# Altium PCB controller_V1.0.PcbDoc (part 6 of 8) (continued)
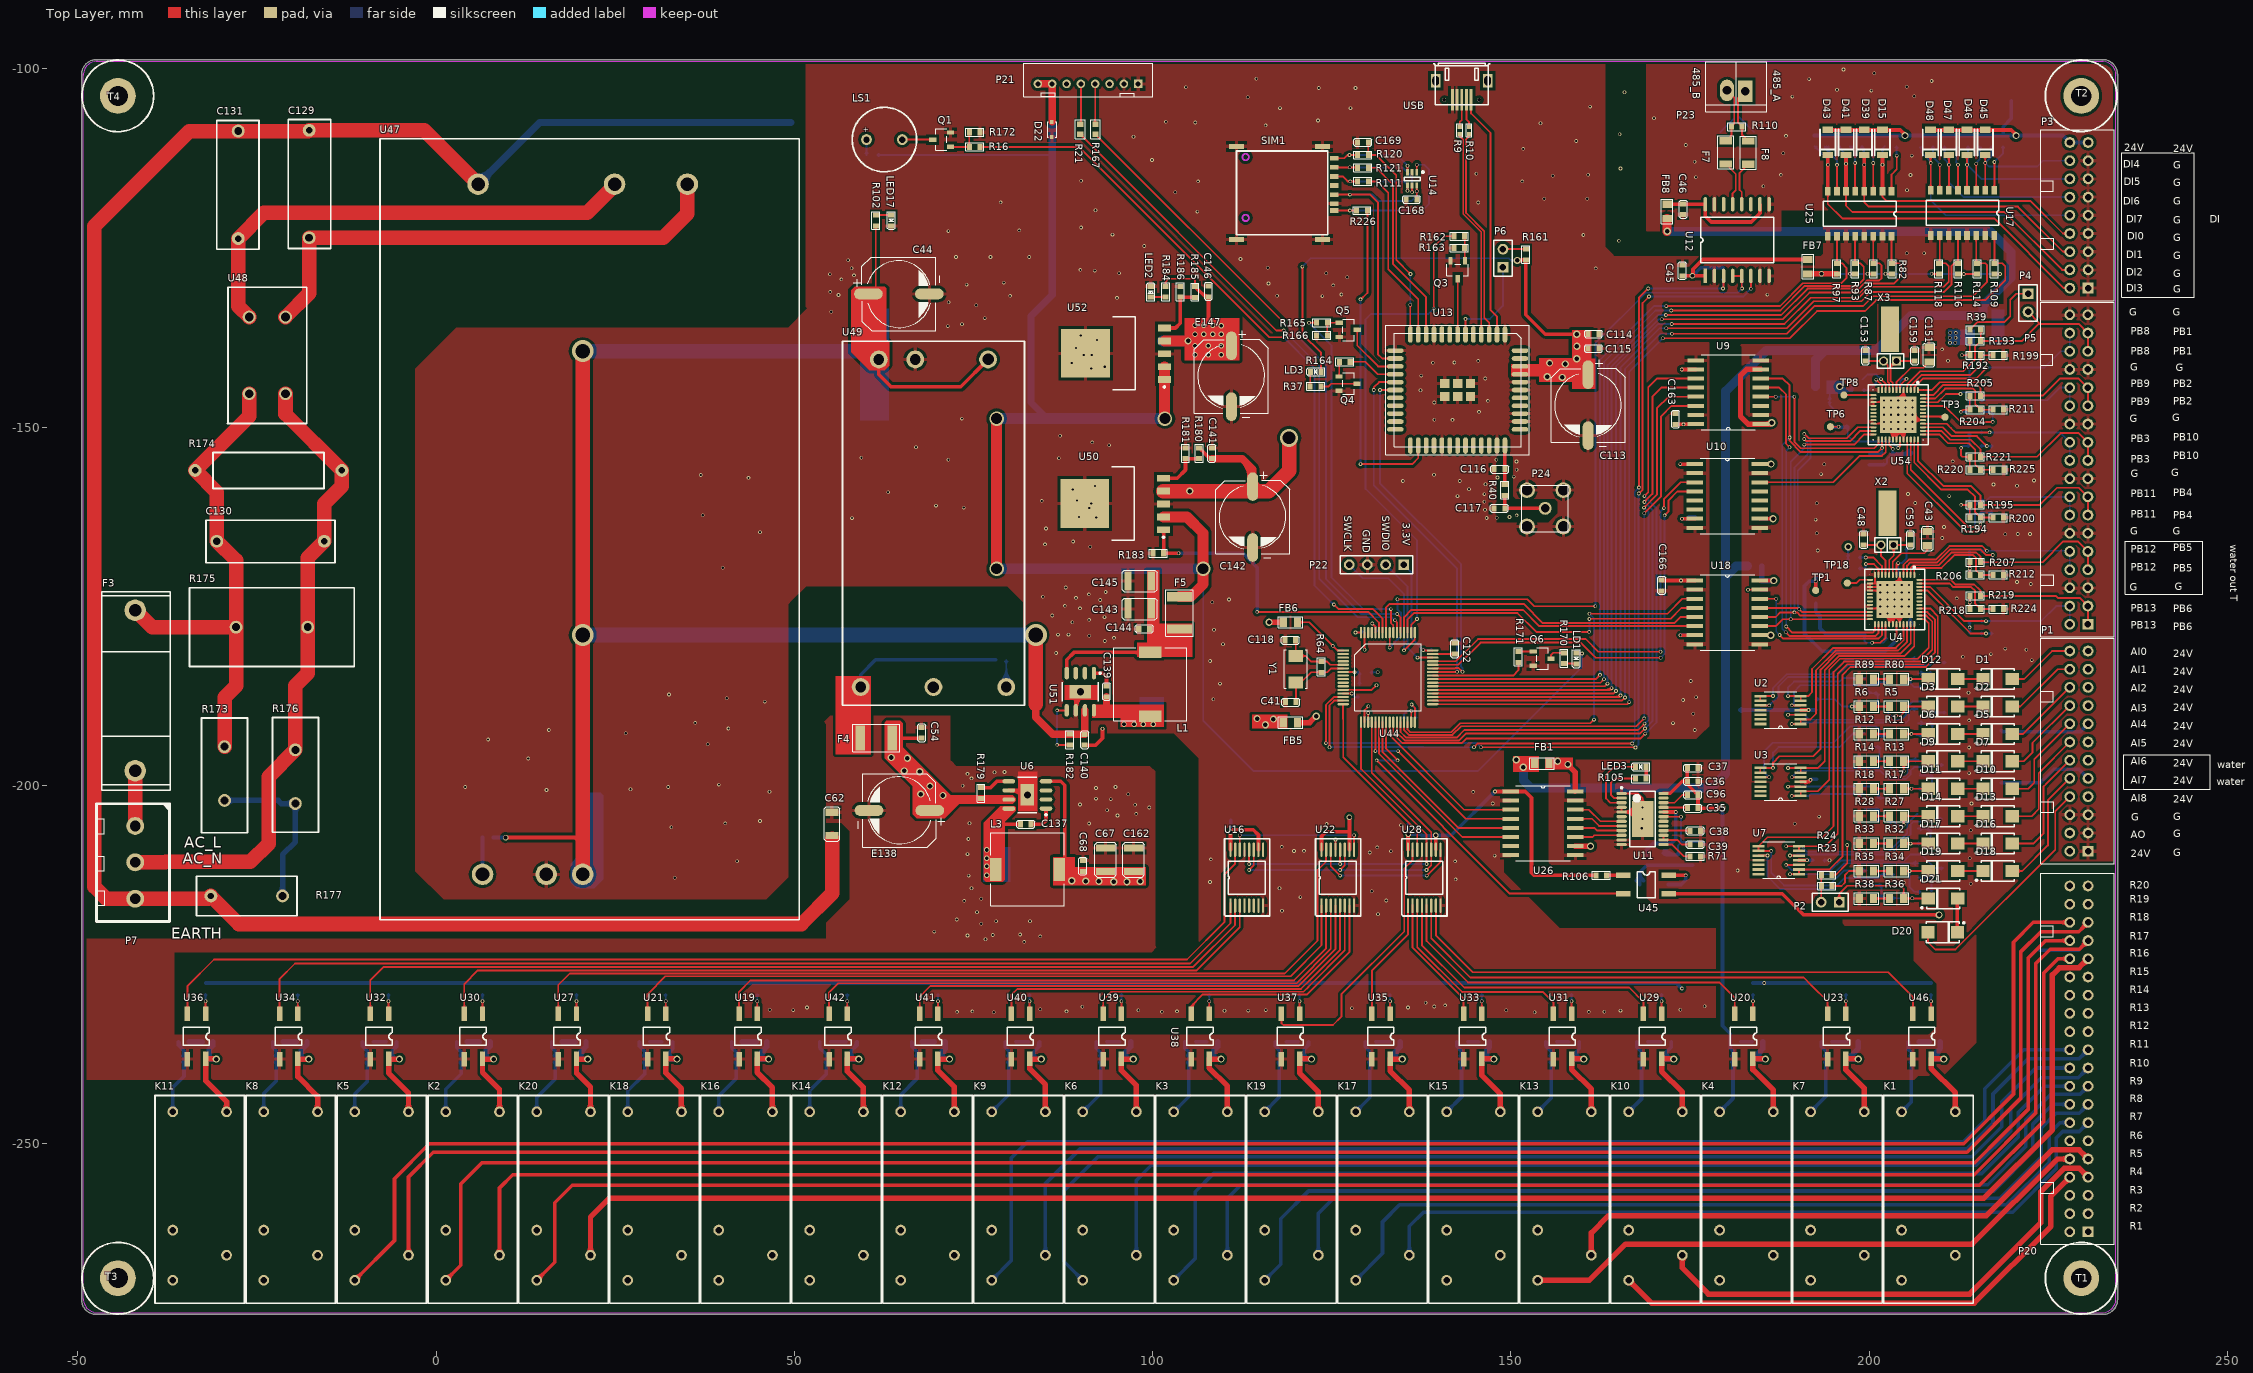
[diagram p0: Top Layer view]
## Nets (pads, with @x,y where several pads share a name; then routed paths per layer and width w, separated by ;. In a path a pad name is that pad's centre, name@x,y a point inside that pad or via, vN(x,y) a via of type N, cw(c..) or ccw(c..) an arc to the next point about the centre after c; other vN are vias at no path point) (continued)
NetD5_2: D5.2 D6.1 | length 3.5
  Top Layer w0.254: D6.1@212.359,-192.826 D5.2@215.879,-192.826
NetD7_2: D7.2 D9.1 | length 3.5
  Top Layer w0.254: D9.1@212.359,-196.652 D7.2@215.879,-196.652
NetD10_2: D10.2 D11.1 | length 3.5
  Top Layer w0.254: D11.1@212.359,-200.478 D10.2@215.879,-200.478
NetD13_2: D13.2 D14.1 | length 3.5
  Top Layer w0.254: D14.1@212.359,-204.304 D13.2@215.879,-204.304
NetD16_2: D16.2 D17.1 | length 3.5
  Top Layer w0.254: D17.1@212.359,-208.13 D16.2@215.879,-208.13
NetD18_2: D18.2 D19.1 | length 3.5
  Top Layer w0.254: D19.1@212.359,-211.956 D18.2@215.879,-211.956
NetD20_2: D20.2 D21.1 | length 4.7
  Top Layer w0.508: D20.2@212.311,-220.497 212.311,-215.83 D21.1@212.359,-215.781
NetD72_1: D72.1 F2.2
NetF3_1: F3.1 P7.1 | length 7.7
  Top Layer w2.032: P7.1@-41.986,-205.664 -41.986,-198.242 F3.1@-41.758,-198.014
NetF4_1: F4.1 R178.2 U49.4 | length 21.4
  Bottom Layer w0.508: U49.4@59.256,-186.284 59.256,-184.556 61.338,-182.474 R178.2@78.076,-182.474
NetF7_1: F7.1 U12.13 | length 6.8
  Top Layer w0.254: F7.1@179.982,-113.284 181.381,-114.684 181.381,-116.942 180.947,-117.376 U12.13@180.947,-118.905 ; U12.13@180.86,-118.068 ccw(c180.65,-117.858) 180.947,-117.858 ccw(c181.244,-117.858) U12.13@181.034,-118.068
NetF8_1: F8.1 U12.12 | length 6.7
  Top Layer w0.254: U12.12@182.13,-118.068 ccw(c181.92,-117.858) 182.217,-117.858 ccw(c182.514,-117.858) U12.12@182.304,-118.068 ; U12.12@182.217,-118.905 182.217,-117.196 181.889,-116.868 181.889,-114.577 F8.1@183.131,-113.335
NetLD1_2: LD1.2 R170.1 | length 3.4
  Top Layer w0.254: R170.1@157.404,-183.007 159.079,-183.007 LD1.2@159.131,-183.059 ; R170.1@157.636,-183.165 cw(c158.017,-183.545) 158.017,-183.007 cw(c158.017,-182.469) R170.1@157.636,-182.849 ; 158.392,-183.007 cw(c158.392,-183.724) LD1.2@158.898,-183.217 ; 158.644,-183.007 ccw(c158.644,-182.647) LD1.2@158.898,-182.902
NetLD3_2: LD3.2 R37.1 | length 3.7
  Top Layer w0.254: R37.1@121.836,-144.09 ccw(c121.455,-143.709) 121.994,-143.709 ccw(c122.532,-143.709) R37.1@122.151,-144.09 ; LD3.2@121.86,-142.523 cw(c121.537,-142.846) 121.994,-142.846 ; R37.1@121.994,-144.323 121.994,-142.315 LD3.2@122.018,-142.291 ; 121.994,-142.962 cw(c122.614,-142.962) LD3.2@122.175,-142.523
NetLED2_1: LED2.1 R184.1 | length 3.8
  Top Layer w0.254: LED2.1@99.746,-131.851 101.792,-131.851 R184.1@101.809,-131.868 ; LED2.1@99.978,-132.009 cw(c100.359,-132.39) 100.359,-131.851 cw(c100.359,-131.313) LED2.1@99.978,-131.694 ; 101.154,-131.851 cw(c101.154,-132.448) R184.1@101.576,-132.026 ; 101.236,-131.851 ccw(c101.236,-131.371) R184.1@101.576,-131.711
NetLED3_1: LED3.1 R105.2 | length 1.7
  Top Layer w0.508: R105.2@168.882,-199.06 LED3.1@168.882,-197.409
NetLED3_2: LED3.2 U11.3 | length 11.5
  Top Layer w0.254: U11.3@164.88,-202.493 ccw(c164.712,-202.66) 164.712,-202.424 ccw(c164.712,-202.187) U11.3@164.88,-202.354 ; U11.3@165.449,-202.424 163.866,-202.424 163.271,-201.828 163.271,-198.552 164.414,-197.409 LED3.2@167.382,-197.409 ; LED3.2@167.224,-197.566 ccw(c166.844,-197.947) 166.844,-197.409 ccw(c166.844,-196.87) LED3.2@167.224,-197.251
NetLED17_1: LED17.1 R102.1 | length 3.9
  Top Layer w0.254: R102.1@61.369,-120.43 LED17.1@63.528,-120.43 ; R102.1@61.602,-120.587 cw(c61.983,-120.968) 61.983,-120.43 cw(c61.983,-119.891) R102.1@61.602,-120.272 ; LED17.1@63.296,-120.587 ccw(c62.915,-120.968) 62.915,-120.43 ccw(c62.915,-119.891) LED17.1@63.296,-120.272
NetLS1_1: LS1.1 R15.2 | length 3
  Bottom Layer w0.254: R15.2@59.935,-111.807 ccw(c59.554,-111.426) 60.092,-111.426 ccw(c60.631,-111.426) R15.2@60.25,-111.807 ; LS1.1@60.068,-109.88 60.092,-109.904 R15.2@60.092,-112.039
NetLS1_2: LS1.2 Q1.3 | length 4.9
  Top Layer w0.254: LS1.2@65.068,-109.88 69.29,-109.88 Q1.3@69.306,-109.896 ; 68.65,-109.88 cw(c68.65,-110.353) Q1.3@68.983,-110.019 ; 68.727,-109.88 ccw(c68.727,-109.517) Q1.3@68.983,-109.774
NetP2_2: P2.2 R23.2 R24.1 | length 6.3
  Top Layer w0.254: R23.2@193.16,-214.278 cw(c192.78,-214.659) 193.318,-214.659 cw(c193.856,-214.659) R23.2@193.476,-214.278 ; R23.2@193.16,-213.813 ccw(c192.776,-213.429) 193.319,-213.429 ; R24.1@193.162,-212.754 cw(c192.781,-213.135) 193.319,-213.135 cw(c193.858,-213.135) R24.1@193.477,-212.754 ; P2.2@193.294,-216.306 193.318,-216.282 R23.2@193.318,-214.046 193.319,-214.044 R24.1@193.319,-212.522 ; 193.319,-213.436 ccw(c193.853,-213.436) R23.2@193.476,-213.813
NetP4_1: P4.1 R39.2 | length 11.5
  Top Layer w0.254: R39.2@214.07,-136.398 215.111,-135.357 218.872,-135.357 219.685,-134.544 219.685,-132.232 220.523,-131.394 P4.1@222.174,-131.394
NetP6_1: P6.1 U13.6 | length 15.3
  Top Layer w0.254: U13.6@143.528,-136.116 ccw(c143.19,-135.778) 143.668,-135.778 ccw(c144.146,-135.778) U13.6@143.808,-136.116 ; v1@143.578,-134.994 cw(c143.361,-135.211) 143.668,-135.211 cw(c143.974,-135.211) v1@143.757,-134.994 ; U13.6@143.668,-137.081 v1(143.668,-134.905)
  Bottom Layer w0.254: v1(143.668,-134.905) 147.086,-134.905 148.892,-133.099 P6.1@148.892,-127.711 ; v1@143.757,-134.994 cw(c143.974,-135.211) 143.974,-134.905 cw(c143.974,-134.598) v1@143.757,-134.815
NetP6_2: P6.2 R161.1 | length 4
  Top Layer w0.254: P6.2@148.892,-125.171 R161.1@152.093,-125.171 ; R161.1@151.86,-125.329 ccw(c151.479,-125.71) 151.479,-125.171 ccw(c151.479,-124.633) R161.1@151.86,-125.014
NetP21_4: P21.4 R167.2 | length 6.6
  Top Layer w0.254: R167.2@91.781,-107.554 ccw(c91.275,-107.049) 91.991,-107.049 ; R167.2@91.991,-107.7 P21.4@91.991,-102.108 ; 91.991,-107.193 ccw(c92.502,-107.193) R167.2@92.14,-107.554
NetP21_5: P21.5 R21.2 | length 6.5
  Top Layer w0.254: R21.2@89.797,-107.58 ccw(c89.331,-107.113) 89.991,-107.113 ; R21.2@89.991,-107.682 P21.5@89.991,-102.108 ; 89.991,-107.179 ccw(c90.557,-107.179) R21.2@90.157,-107.58
NetQ1_1: Q1.1 R16.1 R172.1 | length 7.8
  Top Layer w0.254: Q1.1@71.806,-110.896 R16.1@74.422,-110.896 R172.1@74.422,-108.864 ; Q1.1@72.128,-111.019 cw(c72.423,-111.314) 72.423,-110.896 cw(c72.423,-110.479) Q1.1@72.128,-110.774 ; R16.1@74.264,-111.054 ccw(c73.884,-111.435) 73.884,-110.896 ccw(c73.884,-110.358) R16.1@74.264,-110.739 ; R16.1@74.264,-110.664 ccw(c73.884,-110.283) 74.422,-110.283 ccw(c74.96,-110.283) R16.1@74.58,-110.664 ; R172.1@74.264,-109.097 cw(c73.884,-109.478) 74.422,-109.478 cw(c74.96,-109.478) R172.1@74.58,-109.097
NetQ3_1: Q3.1 R162.2 R163.2 | length 6.6
  Top Layer w0.254: R163.2@143.402,-125.251 cw(c143.021,-125.632) 143.56,-125.632 cw(c144.098,-125.632) R163.2@143.717,-125.251 ; R163.2@143.402,-124.786 ccw(c143.021,-124.405) 143.56,-124.405 ccw(c144.098,-124.405) R163.2@143.717,-124.786 ; R162.2@143.402,-123.6 cw(c143.021,-123.981) 143.56,-123.981 cw(c144.098,-123.981) R162.2@143.717,-123.6 ; Q3.1@143.461,-126.474 ccw(c143.224,-126.237) 143.56,-126.237 ; Q3.1@143.56,-126.773 R163.2@143.56,-125.019 R162.2@143.56,-123.368 ; 143.56,-126.121 ccw(c144.059,-126.121) Q3.1@143.706,-126.474
NetQ3_3: Q3.3 U13.7 | length 9.2
  Top Layer w0.254: U13.7@142.428,-136.116 ccw(c142.051,-135.739) 142.584,-135.739 ; Q3.3@142.461,-129.619 cw(c142.166,-129.914) 142.584,-129.914 cw(c143.001,-129.914) Q3.3@142.706,-129.619 ; U13.7@142.568,-137.081 142.584,-137.065 Q3.3@142.584,-129.297 ; 142.584,-135.816 ccw(c143.007,-135.816) U13.7@142.708,-136.116
NetQ4_1: Q4.1 R164.2 | length 3.5
  Top Layer w0.254: Q4.1@125.912,-142.829 ccw(c125.617,-142.534) 126.035,-142.534 ccw(c126.452,-142.534) Q4.1@126.157,-142.829 ; R164.2@125.924,-141.126 cw(c125.656,-141.394) 126.035,-141.394 ; Q4.1@126.035,-142.951 R164.2@126.035,-140.941 ; 126.035,-141.62 cw(c126.733,-141.62) R164.2@126.239,-141.126
NetQ4_3: Q4.3 R37.2 | length 6.7
  Top Layer w0.254: R37.2@123.494,-144.323 124.587,-144.323 124.959,-143.951 Q4.3@128.535,-143.951 ; R37.2@123.651,-144.48 cw(c124.032,-144.861) 124.032,-144.323 cw(c124.032,-143.784) R37.2@123.651,-144.165 ; Q4.3@128.212,-144.074 ccw(c127.917,-144.369) 127.917,-143.951 ccw(c127.917,-143.534) Q4.3@128.212,-143.829
NetQ5_1: Q5.1 R165.2 R166.2 | length 6.6
  Top Layer w0.254: R166.2@124.225,-136.978 ccw(c123.844,-136.597) 124.383,-136.597 ccw(c124.921,-136.597) R166.2@124.54,-136.978 ; R165.2@124.225,-135.665 cw(c123.844,-136.046) 124.383,-136.046 cw(c124.921,-136.046) R165.2@124.54,-135.665 ; R166.2@124.383,-137.211 R165.2@124.383,-135.433 Q5.1@126.058,-135.433 ; R165.2@124.54,-135.59 cw(c124.921,-135.971) 124.921,-135.433 cw(c124.921,-134.894) R165.2@124.54,-135.275 ; Q5.1@125.735,-135.555 ccw(c125.44,-135.85) 125.44,-135.433 ccw(c125.44,-135.015) Q5.1@125.735,-135.31
NetQ5_3: Q5.3 U13.15 | length 10.1
  Top Layer w0.254: Q5.3@128.435,-136.555 cw(c128.14,-136.85) 128.558,-136.85 cw(c128.975,-136.85) Q5.3@128.68,-136.555 ; Q5.3@128.558,-136.433 128.558,-138.616 131.472,-141.531 U13.15@133.868,-141.531 ; U13.15@132.903,-141.671 ccw(c132.565,-142.009) 132.565,-141.531 ccw(c132.565,-141.053) U13.15@132.903,-141.391
NetQ6_1: Q6.1 R171.2 | length 3.6
  Top Layer w0.254: R171.2@151.054,-181.329 Q6.1@153.11,-181.329 ; R171.2@151.286,-181.487 cw(c151.667,-181.868) 151.667,-181.329 cw(c151.667,-180.791) R171.2@151.286,-181.172 ; 152.49,-181.329 cw(c152.49,-181.752) Q6.1@152.789,-181.453 ; 152.497,-181.329 ccw(c152.497,-180.916) Q6.1@152.789,-181.208
NetQ6_3: Q6.3 R170.2 | length 3.9
  Top Layer w0.254: Q6.3@155.489,-182.208 ccw(c155.194,-181.913) 155.611,-181.913 ccw(c156.029,-181.913) Q6.3@155.734,-182.208 ; Q6.3@155.611,-182.331 155.611,-181.802 155.907,-181.507 R170.2@157.404,-181.507 ; R170.2@157.171,-181.665 ccw(c156.79,-182.045) 156.79,-181.507 ccw(c156.79,-180.969) R170.2@157.171,-181.349
NetR5_1: R5.1 R6.2 | length 5
  Top Layer w0.254: R6.2@200.625,-189 R5.1@202.816,-189 ; R6.2@200.889,-189.264 cw(c201.526,-189.901) 201.526,-189 cw(c201.526,-188.1) R6.2@200.889,-188.737 ; R5.1@202.553,-189.264 ccw(c201.916,-189.901) 201.916,-189 ccw(c201.916,-188.1) R5.1@202.553,-188.737
NetR9_1: R9.1 USB.3 | length 4.5
  Top Layer w0.254: R9.1@142.753,-107.971 ccw(c142.457,-107.675) 142.875,-107.675 ccw(c143.293,-107.675) R9.1@142.997,-107.971 ; R9.1@142.875,-108.093 142.875,-107.417 143.135,-107.157 USB.3@143.135,-104.326
NetR10_1: R10.1 USB.2 | length 4.6
  Top Layer w0.254: USB.2@143.785,-104.326 143.785,-107.056 144.145,-107.417 R10.1@144.145,-108.093 ; R10.1@144.023,-107.971 ccw(c143.727,-107.675) 144.145,-107.675 ccw(c144.563,-107.675) R10.1@144.267,-107.971
NetR11_1: R11.1 R12.2 | length 5
  Top Layer w0.254: R12.2@200.625,-192.826 R11.1@202.816,-192.826 ; R12.2@200.889,-193.09 cw(c201.526,-193.727) 201.526,-192.826 cw(c201.526,-191.926) R12.2@200.889,-192.562 ; R11.1@202.553,-193.09 ccw(c201.916,-193.727) 201.916,-192.826 ccw(c201.916,-191.926) R11.1@202.553,-192.562
NetR13_1: R13.1 R14.2 | length 5
  Top Layer w0.254: R14.2@200.625,-196.652 R13.1@202.816,-196.652 ; R14.2@200.889,-196.916 cw(c201.526,-197.553) 201.526,-196.652 cw(c201.526,-195.752) R14.2@200.889,-196.388 ; R13.1@202.553,-196.916 ccw(c201.916,-197.553) 201.916,-196.652 ccw(c201.916,-195.752) R13.1@202.553,-196.388
NetR17_1: R17.1 R18.2 | length 5
  Top Layer w0.254: R18.2@200.625,-200.478 R17.1@202.816,-200.478 ; R18.2@200.889,-200.742 cw(c201.526,-201.378) 201.526,-200.478 cw(c201.526,-199.577) R18.2@200.889,-200.214 ; R17.1@202.553,-200.742 ccw(c201.916,-201.378) 201.916,-200.478 ccw(c201.916,-199.577) R17.1@202.553,-200.214
NetR20_2: R20.2 U4.10 | length 6.7
  Top Layer w0.254: v1(199.517,-168.199) 200.59,-168.199 201.795,-169.404 U4.10@201.795,-170.616 ; v1@199.607,-168.289 cw(c199.824,-168.505) 199.824,-168.199 cw(c199.824,-167.892) v1@199.607,-168.109
  Bottom Layer w0.254: R20.2@198.593,-168.199 v1(199.517,-168.199) ; R20.2@198.726,-168.382 cw(c199.168,-168.824) 199.168,-168.199 ; R20.2@198.726,-168.067 ccw(c199.045,-167.747) 199.045,-168.199 ; v1@199.427,-168.289 ccw(c199.21,-168.505) 199.21,-168.199 ccw(c199.21,-167.892) v1@199.427,-168.109
NetR22_1: R22.1 U44.60 | length 5.1
  Top Layer w0.254: v1@130.658,-177.546 cw(c130.658,-177.853) 130.874,-177.636 cw(c131.091,-177.419) v1@130.785,-177.419 ; v1(130.658,-177.419) 131.091,-177.852 U44.60@131.091,-178.678 ; 130.927,-177.689 cw(c130.588,-178.028) U44.60@131.068,-178.028
  Bottom Layer w0.254: v1@130.658,-177.546 cw(c130.658,-177.853) 130.874,-177.636 cw(c131.091,-177.419) v1@130.785,-177.419 ; v1(130.658,-177.419) 131.191,-177.952 R22.1@131.191,-178.638 ; R22.1@131.033,-178.481 ccw(c130.653,-178.1) 131.191,-178.1 ccw(c131.729,-178.1) R22.1@131.349,-178.481
NetR27_1: R27.1 R28.2 | length 5
  Top Layer w0.254: R28.2@200.625,-204.304 R27.1@202.816,-204.304 ; R28.2@200.889,-204.568 cw(c201.526,-205.204) 201.526,-204.304 cw(c201.526,-203.403) R28.2@200.889,-204.04 ; R27.1@202.553,-204.568 ccw(c201.916,-205.204) 201.916,-204.304 ccw(c201.916,-203.403) R27.1@202.553,-204.04
NetR31_1: R31.1 U47.4 | length 5.1
  Bottom Layer w0.508: R31.1@6.474,-207.289 6.474,-212.413 U47.4@6.485,-212.423
NetR32_1: R32.1 R33.2 | length 5
  Top Layer w0.254: R33.2@200.625,-208.13 R32.1@202.816,-208.13 ; R33.2@200.889,-208.393 cw(c201.526,-209.03) 201.526,-208.13 cw(c201.526,-207.229) R33.2@200.889,-207.866 ; R32.1@202.553,-208.393 ccw(c201.916,-209.03) 201.916,-208.13 ccw(c201.916,-207.229) R32.1@202.553,-207.866
NetR34_1: R34.1 R35.2 | length 5
  Top Layer w0.254: R35.2@200.625,-211.956 R34.1@202.816,-211.956 ; R35.2@200.889,-212.219 cw(c201.526,-212.856) 201.526,-211.956 cw(c201.526,-211.055) R35.2@200.889,-211.692 ; R34.1@202.553,-212.219 ccw(c201.916,-212.856) 201.916,-211.956 ccw(c201.916,-211.055) R34.1@202.553,-211.692
NetR36_1: R36.1 R38.2 | length 5
  Top Layer w0.254: R38.2@200.625,-215.781 R36.1@202.816,-215.781 ; R38.2@200.889,-216.045 cw(c201.526,-216.682) 201.526,-215.781 cw(c201.526,-214.881) R38.2@200.889,-215.518 ; R36.1@202.553,-216.045 ccw(c201.916,-216.682) 201.916,-215.781 ccw(c201.916,-214.881) R36.1@202.553,-215.518
NetR71_1: R71.1 U11.13 | length 5.6
  Top Layer w0.254: U11.13@171.299,-208.274 172.51,-208.274 174.142,-209.906 R71.1@174.978,-209.906 ; U11.13@171.868,-208.343 cw(c172.036,-208.51) 172.036,-208.274 cw(c172.036,-208.037) U11.13@171.868,-208.204 ; R71.1@174.82,-210.063 ccw(c174.44,-210.444) 174.44,-209.906 ccw(c174.44,-209.367) R71.1@174.82,-209.748
NetR73_2: R73.2 U4.11 | length 6.1
  Top Layer w0.254: v1(199.542,-169.113) 200.66,-169.113 201.295,-169.748 U4.11@201.295,-170.616 ; v1@199.632,-169.203 cw(c199.849,-169.42) 199.849,-169.113 cw(c199.849,-168.807) v1@199.632,-169.023
  Bottom Layer w0.254: R73.2@198.568,-169.748 199.263,-169.748 199.542,-169.469 v1(199.542,-169.113) ; R73.2@198.726,-169.906 cw(c199.106,-170.287) 199.106,-169.748 cw(c199.106,-169.21) R73.2@198.726,-169.591 ; v1@199.453,-169.203 cw(c199.236,-169.42) 199.542,-169.42 cw(c199.849,-169.42) v1@199.632,-169.203
NetR75_2: R75.2 U54.11 | length 6.5
  Top Layer w0.254: v1@200.99,-143.51 cw(c200.99,-143.817) 201.207,-143.6 cw(c201.424,-143.383) v1@201.117,-143.383 ; v1(200.99,-143.383) 201.803,-144.196 U54.11@201.803,-144.835
  Bottom Layer w0.254: R75.2@199.076,-144.856 199.974,-144.856 200.99,-143.84 v1(200.99,-143.383) v1@200.914,-143.383 ; R75.2@199.234,-145.014 cw(c199.614,-145.395) 199.614,-144.856 cw(c199.614,-144.318) R75.2@199.234,-144.699 ; v1@200.9,-143.473 cw(c200.684,-143.69) 200.99,-143.69 cw(c201.297,-143.69) v1@201.08,-143.473
NetR80_1: R80.1 R89.2 | length 5
  Top Layer w0.254: R89.2@200.625,-185.174 R80.1@202.816,-185.174 ; R89.2@200.889,-185.438 cw(c201.526,-186.075) 201.526,-185.174 cw(c201.526,-184.274) R89.2@200.889,-184.911 ; R80.1@202.553,-185.438 ccw(c201.916,-186.075) 201.916,-185.174 ccw(c201.916,-184.274) R80.1@202.553,-184.911
NetR81_1: R81.1 U25.1 | length 9.3
  Top Layer w0.254: U25.1@202.928,-116.701 ccw(c202.462,-116.235) 203.121,-116.235 ccw(c203.78,-116.235) U25.1@203.314,-116.701 ; U25.1@203.121,-117.094 203.121,-114.76 203.86,-114.021 v1(203.86,-112.116) ; v1@203.771,-112.205 cw(c203.554,-112.422) 203.86,-112.422 cw(c204.167,-112.422) v1@203.95,-112.205
  Bottom Layer w0.254: R81.1@203.677,-110.979 cw(c203.297,-111.36) 203.835,-111.36 cw(c204.373,-111.36) R81.1@203.993,-110.979 ; 203.835,-111.748 ccw(c204.228,-111.748) v1@203.95,-112.026 ; R81.1@203.835,-110.822 203.835,-112.09 v1(203.86,-112.116)
NetR86_1: R86.1 U25.3 | length 9.1
  Top Layer w0.254: U25.3@200.388,-116.701 ccw(c199.922,-116.235) 200.581,-116.235 ccw(c201.24,-116.235) U25.3@200.774,-116.701 ; v1@200.491,-113.244 cw(c200.275,-113.461) 200.581,-113.461 cw(c200.888,-113.461) v1@200.671,-113.244 ; U25.3@200.581,-117.094 v1(200.581,-113.154)
  Bottom Layer w0.254: R86.1@200.404,-110.979 cw(c200.024,-111.36) 200.562,-111.36 cw(c201.1,-111.36) R86.1@200.72,-110.979 ; v1@200.491,-113.065 ccw(c200.321,-112.894) 200.562,-112.894 ; 200.562,-112.801 ccw(c200.934,-112.801) v1@200.671,-113.065 ; R86.1@200.562,-110.822 200.562,-113.135 v1(200.581,-113.154)
NetR92_1: R92.1 U25.5 | length 9.4
  Top Layer w0.254: U25.5@197.848,-116.701 ccw(c197.382,-116.235) 198.041,-116.235 ccw(c198.7,-116.235) U25.5@198.234,-116.701 ; v1@197.951,-113.244 cw(c197.735,-113.461) 198.041,-113.461 cw(c198.348,-113.461) v1@198.131,-113.244 ; U25.5@198.041,-117.094 v1(198.041,-113.154)
  Bottom Layer w0.254: R92.1@197.289,-110.822 198.041,-111.574 v1(198.041,-113.154) ; R92.1@197.364,-111.045 cw(c197.364,-111.402) R92.1@197.617,-111.149 ; R92.1@197.587,-110.822 ccw(c198.306,-110.822) 197.798,-111.33 ; v1@197.951,-113.065 ccw(c197.735,-112.848) 198.041,-112.848 ccw(c198.348,-112.848) v1@198.131,-113.065
NetR96_1: R96.1 U25.7 | length 13
  Top Layer w0.254: U25.7@195.308,-116.701 ccw(c194.842,-116.235) 195.501,-116.235 ccw(c196.16,-116.235) U25.7@195.694,-116.701 ; v1@195.411,-113.498 cw(c195.195,-113.715) 195.501,-113.715 cw(c195.808,-113.715) v1@195.591,-113.498 ; U25.7@195.501,-117.094 v1(195.501,-113.408)
  Bottom Layer w0.254: R96.1@193.806,-110.822 ccw(c194.426,-110.822) 193.988,-111.26 ; R96.1@193.876,-110.995 cw(c193.639,-111.288) 194.016,-111.288 ; R96.1@193.933,-110.979 cw(c193.734,-111.179) 194.016,-111.179 ; 194.016,-111.294 cw(c194.317,-111.294) R96.1@194.187,-111.023 ; R96.1@194.016,-110.822 194.016,-111.288 ; R96.1@194.06,-110.822 ccw(c195.293,-110.822) 194.421,-111.693 ; R96.1@194.156,-110.995 ccw(c194.393,-111.288) 194.016,-111.288 ; R96.1@194.314,-110.822 ccw(c196.16,-110.822) 194.855,-112.127 ; v1@195.411,-113.319 ccw(c195.195,-113.102) 195.501,-113.102 ccw(c195.808,-113.102) v1@195.591,-113.319 ; v1(195.501,-113.408) 195.501,-112.773 194.016,-111.288
NetR105_1: R105.1 U11.2 | length 8.2
  Top Layer w0.254: U11.2@164.88,-201.843 ccw(c164.712,-202.01) 164.712,-201.774 ccw(c164.712,-201.537) U11.2@164.88,-201.704 ; U11.2@165.449,-201.774 164.436,-201.774 163.957,-201.295 163.957,-199.644 164.541,-199.06 R105.1@167.382,-199.06 ; R105.1@167.224,-199.217 ccw(c166.844,-199.598) 166.844,-199.06 ccw(c166.844,-198.521) R105.1@167.224,-198.902
NetR106_1: R106.1 U45.1 | length 2.4
  Top Layer w0.508: R106.1@163.347,-212.573 U45.1@165.707,-212.573
NetR107_1: R107.1 U46.1 | length 5.5
  Top Layer w0.254: U46.1@208.469,-231.037 ccw(c208.035,-230.603) 208.649,-230.603 ccw(c209.262,-230.603) U46.1@208.828,-231.037 ; v1@208.559,-230.214 cw(c208.342,-230.431) 208.649,-230.431 cw(c208.955,-230.431) v1@208.738,-230.214 ; U46.1@208.649,-231.851 v1(208.649,-230.124)
  Bottom Layer w0.254: R107.1@208.491,-229.24 cw(c208.11,-229.621) 208.649,-229.621 cw(c209.187,-229.621) R107.1@208.806,-229.24 ; v1@208.559,-230.034 ccw(c208.342,-229.817) 208.649,-229.817 ccw(c208.955,-229.817) v1@208.738,-230.034 ; v1(208.649,-230.124) R107.1@208.649,-229.083
NetR108_1: R108.1 U17.1 | length 9.5
  Top Layer w0.254: U17.1@217.279,-116.574 ccw(c216.813,-116.108) 217.472,-116.108 ccw(c218.131,-116.108) U17.1@217.665,-116.574 ; v1@217.382,-113.094 cw(c217.166,-113.311) 217.472,-113.311 cw(c217.779,-113.311) v1@217.562,-113.094 ; U17.1@217.472,-116.967 v1(217.472,-113.005)
  Bottom Layer w0.254: v1(217.472,-113.005) 218.694,-111.783 R108.1@218.694,-110.822 ; v1@217.472,-112.878 ccw(c217.472,-112.571) 217.689,-112.788 ccw(c217.906,-113.005) v1@217.599,-113.005 ; R108.1@218.536,-110.979 cw(c218.156,-111.36) 218.694,-111.36 cw(c219.232,-111.36) R108.1@218.852,-110.979
NetR111_1: R111.1 SIM1.2 U14.4 | length 17.3
  Top Layer w0.254: SIM1.2@125.346,-115.026 126.507,-115.026 127.203,-115.722 v1(127.584,-115.722) R111.1@128.596,-115.722 ; SIM1.2@125.776,-115.166 cw(c126.114,-115.504) 126.114,-115.026 cw(c126.114,-114.548) SIM1.2@125.776,-114.886 ; v1@127.494,-115.812 ccw(c127.278,-116.029) 127.278,-115.722 ccw(c127.278,-115.416) v1@127.494,-115.633 ; v1@127.674,-115.812 cw(c127.891,-116.029) 127.891,-115.722 cw(c127.891,-115.416) v1@127.674,-115.633 ; R111.1@128.439,-115.88 ccw(c128.058,-116.261) 128.058,-115.722 ccw(c128.058,-115.184) R111.1@128.439,-115.565 ; v1@135.478,-116.946 ccw(c135.261,-116.729) 135.568,-116.729 ccw(c135.874,-116.729) v1@135.657,-116.946 ; v1(135.568,-117.035) U14.4@135.568,-116.292
  Bottom Layer w0.254: v1(127.584,-115.722) 135.026,-115.722 135.568,-116.264 v1(135.568,-117.035) ; v1@127.674,-115.812 cw(c127.891,-116.029) 127.891,-115.722 cw(c127.891,-115.416) v1@127.674,-115.633 ; v1@135.478,-116.946 ccw(c135.261,-116.729) 135.568,-116.729 ccw(c135.874,-116.729) v1@135.657,-116.946
NetR113_1: R113.1 U17.3 | length 9.1
  Top Layer w0.254: U17.3@214.739,-116.574 ccw(c214.273,-116.108) 214.932,-116.108 ccw(c215.591,-116.108) U17.3@215.125,-116.574 ; v1@214.842,-113.348 cw(c214.626,-113.565) 214.932,-113.565 cw(c215.239,-113.565) v1@215.022,-113.348 ; U17.3@214.932,-116.967 v1(214.932,-113.259)
  Bottom Layer w0.254: v1@214.932,-113.132 215.428,-112.636 R113.1@215.428,-110.822 ; v1@215.059,-113.259 cw(c215.672,-113.259) 215.239,-112.825 ; R113.1@215.271,-110.979 cw(c214.89,-111.36) 215.428,-111.36 cw(c215.967,-111.36) R113.1@215.586,-110.979
NetR115_1: R115.1 U17.5 | length 8.9
  Top Layer w0.254: U17.5@212.199,-116.574 ccw(c211.733,-116.108) 212.392,-116.108 ccw(c213.051,-116.108) U17.5@212.585,-116.574 ; v1@212.302,-113.475 cw(c212.086,-113.692) 212.392,-113.692 cw(c212.699,-113.692) v1@212.482,-113.475 ; U17.5@212.392,-116.967 v1(212.392,-113.386)
  Bottom Layer w0.254: R115.1@212.005,-110.979 cw(c211.624,-111.36) 212.163,-111.36 cw(c212.701,-111.36) R115.1@212.32,-110.979 ; 212.099,-112.965 cw(c211.697,-113.367) v1@212.265,-113.382 ; R115.1@212.163,-110.822 212.163,-113.029 v1@212.392,-113.259
NetR117_1: R117.1 U17.7 | length 9.3
  Top Layer w0.254: U17.7@209.659,-116.574 ccw(c209.193,-116.108) 209.852,-116.108 ccw(c210.511,-116.108) U17.7@210.045,-116.574 ; v1@209.762,-113.475 cw(c209.546,-113.692) 209.852,-113.692 cw(c210.159,-113.692) v1@209.942,-113.475 ; U17.7@209.852,-116.967 v1(209.852,-113.386)
  Bottom Layer w0.254: R117.1@208.739,-110.979 cw(c208.358,-111.36) 208.897,-111.36 cw(c209.435,-111.36) R117.1@209.055,-110.979 ; R117.1@208.897,-110.822 208.897,-112.303 v1@209.852,-113.259 ; 209.546,-112.952 cw(c209.112,-113.386) v1@209.725,-113.386
NetR120_1: R120.1 SIM1.3 U14.3 | length 17.3
  Top Layer w0.254: SIM1.3@125.346,-112.486 126.731,-112.486 127.178,-112.039 ; SIM1.3@125.776,-112.626 cw(c126.114,-112.964) 126.114,-112.486 cw(c126.114,-112.008) SIM1.3@125.776,-112.346 ; 127.025,-112.192 cw(c127.248,-112.415) v1@127.415,-112.147 ; v1@127.392,-112.129 ccw(c127.178,-112.342) 127.178,-112.039 ; v1@127.392,-111.95 cw(c127.178,-111.737) 127.178,-112.039 ; v1@127.572,-112.129 cw(c127.789,-112.346) 127.789,-112.039 cw(c127.789,-111.733) v1@127.572,-111.95 ; R120.1@128.439,-112.197 ccw(c128.058,-112.578) 128.058,-112.039 ccw(c128.058,-111.501) R120.1@128.439,-111.882 ; R120.1@128.596,-112.039 v1(127.483,-112.039) 127.178,-112.039 ; v1@135.478,-113.62 cw(c135.261,-113.837) 135.568,-113.837 cw(c135.874,-113.837) v1@135.657,-113.62 ; U14.3@135.568,-114.442 v1(135.568,-113.53)
  Bottom Layer w0.254: v1(127.483,-112.039) 134.112,-112.039 v1@135.585,-113.513 ; v1@127.572,-112.129 cw(c127.789,-112.346) 127.789,-112.039 cw(c127.789,-111.733) v1@127.572,-111.95 ; 135.326,-113.253 cw(c135.049,-113.53) v1@135.441,-113.53
NetR121_1: R121.1 SIM1.7 U14.5 | length 19.5
  Top Layer w0.254: SIM1.7@125.346,-113.756 v1(127.508,-113.756) R121.1@128.535,-113.756 ; SIM1.7@125.776,-113.896 cw(c126.114,-114.234) 126.114,-113.756 cw(c126.114,-113.278) SIM1.7@125.776,-113.616 ; v1@127.418,-113.846 ccw(c127.201,-114.063) 127.201,-113.756 ccw(c127.201,-113.45) v1@127.418,-113.667 ; v1@127.598,-113.846 cw(c127.815,-114.063) 127.815,-113.756 cw(c127.815,-113.45) v1@127.598,-113.667 ; 128.024,-113.756 ccw(c128.024,-113.17) R121.1@128.439,-113.585 ; 128.092,-113.756 cw(c128.092,-114.247) R121.1@128.439,-113.9 ; v1@136.128,-117.134 ccw(c135.911,-116.917) 136.218,-116.917 ccw(c136.524,-116.917) v1@136.307,-117.134 ; v1(136.218,-117.224) U14.5@136.218,-116.292
  Bottom Layer w0.254: v1(127.508,-113.756) 134.178,-113.756 134.864,-113.756 136.218,-115.11 v1(136.218,-117.224) ; v1@127.598,-113.846 cw(c127.815,-114.063) 127.815,-113.756 cw(c127.815,-113.45) v1@127.598,-113.667 ; v1@136.128,-117.134 ccw(c135.911,-116.917) 136.218,-116.917 ccw(c136.524,-116.917) v1@136.307,-117.134
NetR124_1: R124.1 U19.1 | length 5.5
  Top Layer w0.254: U19.1@44.646,-231.037 ccw(c44.212,-230.603) 44.825,-230.603 ccw(c45.439,-230.603) U19.1@45.005,-231.037 ; v1@44.736,-230.214 cw(c44.519,-230.431) 44.825,-230.431 cw(c45.132,-230.431) v1@44.915,-230.214 ; U19.1@44.825,-231.851 v1(44.825,-230.124)
  Bottom Layer w0.254: R124.1@44.668,-229.24 cw(c44.287,-229.621) 44.825,-229.621 cw(c45.364,-229.621) R124.1@44.983,-229.24 ; v1@44.736,-230.034 ccw(c44.519,-229.817) 44.825,-229.817 ccw(c45.132,-229.817) v1@44.915,-230.034 ; v1(44.825,-230.124) R124.1@44.825,-229.083
NetR127_1: R127.1 U20.1 | length 5.5
  Top Layer w0.254: U20.1@183.599,-231.037 ccw(c183.166,-230.603) 183.779,-230.603 ccw(c184.392,-230.603) U20.1@183.958,-231.037 ; v1@183.689,-230.214 cw(c183.472,-230.431) 183.779,-230.431 cw(c184.085,-230.431) v1@183.869,-230.214 ; U20.1@183.779,-231.851 v1(183.779,-230.124)
  Bottom Layer w0.254: R127.1@183.621,-229.24 cw(c183.24,-229.621) 183.779,-229.621 cw(c184.317,-229.621) R127.1@183.936,-229.24 ; v1@183.689,-230.034 ccw(c183.472,-229.817) 183.779,-229.817 ccw(c184.085,-229.817) v1@183.869,-230.034 ; v1(183.779,-230.124) R127.1@183.779,-229.083